# Altium PCB MCH_MAIN.PCBDOC (part 11 of 14)
Units mil, origin at the board's own origin, x right, y up, seen from the top; angles counter-clockwise.
Board outline 7110.66 x 2894.12 mil, 6 copper layers (Top Layer, Power, MidLayer1, MidLayer4, GND, Bottom Layer), stack 61.549 mil thick; 630 components, 1085 nets, 3940 pads, 2676 vias.
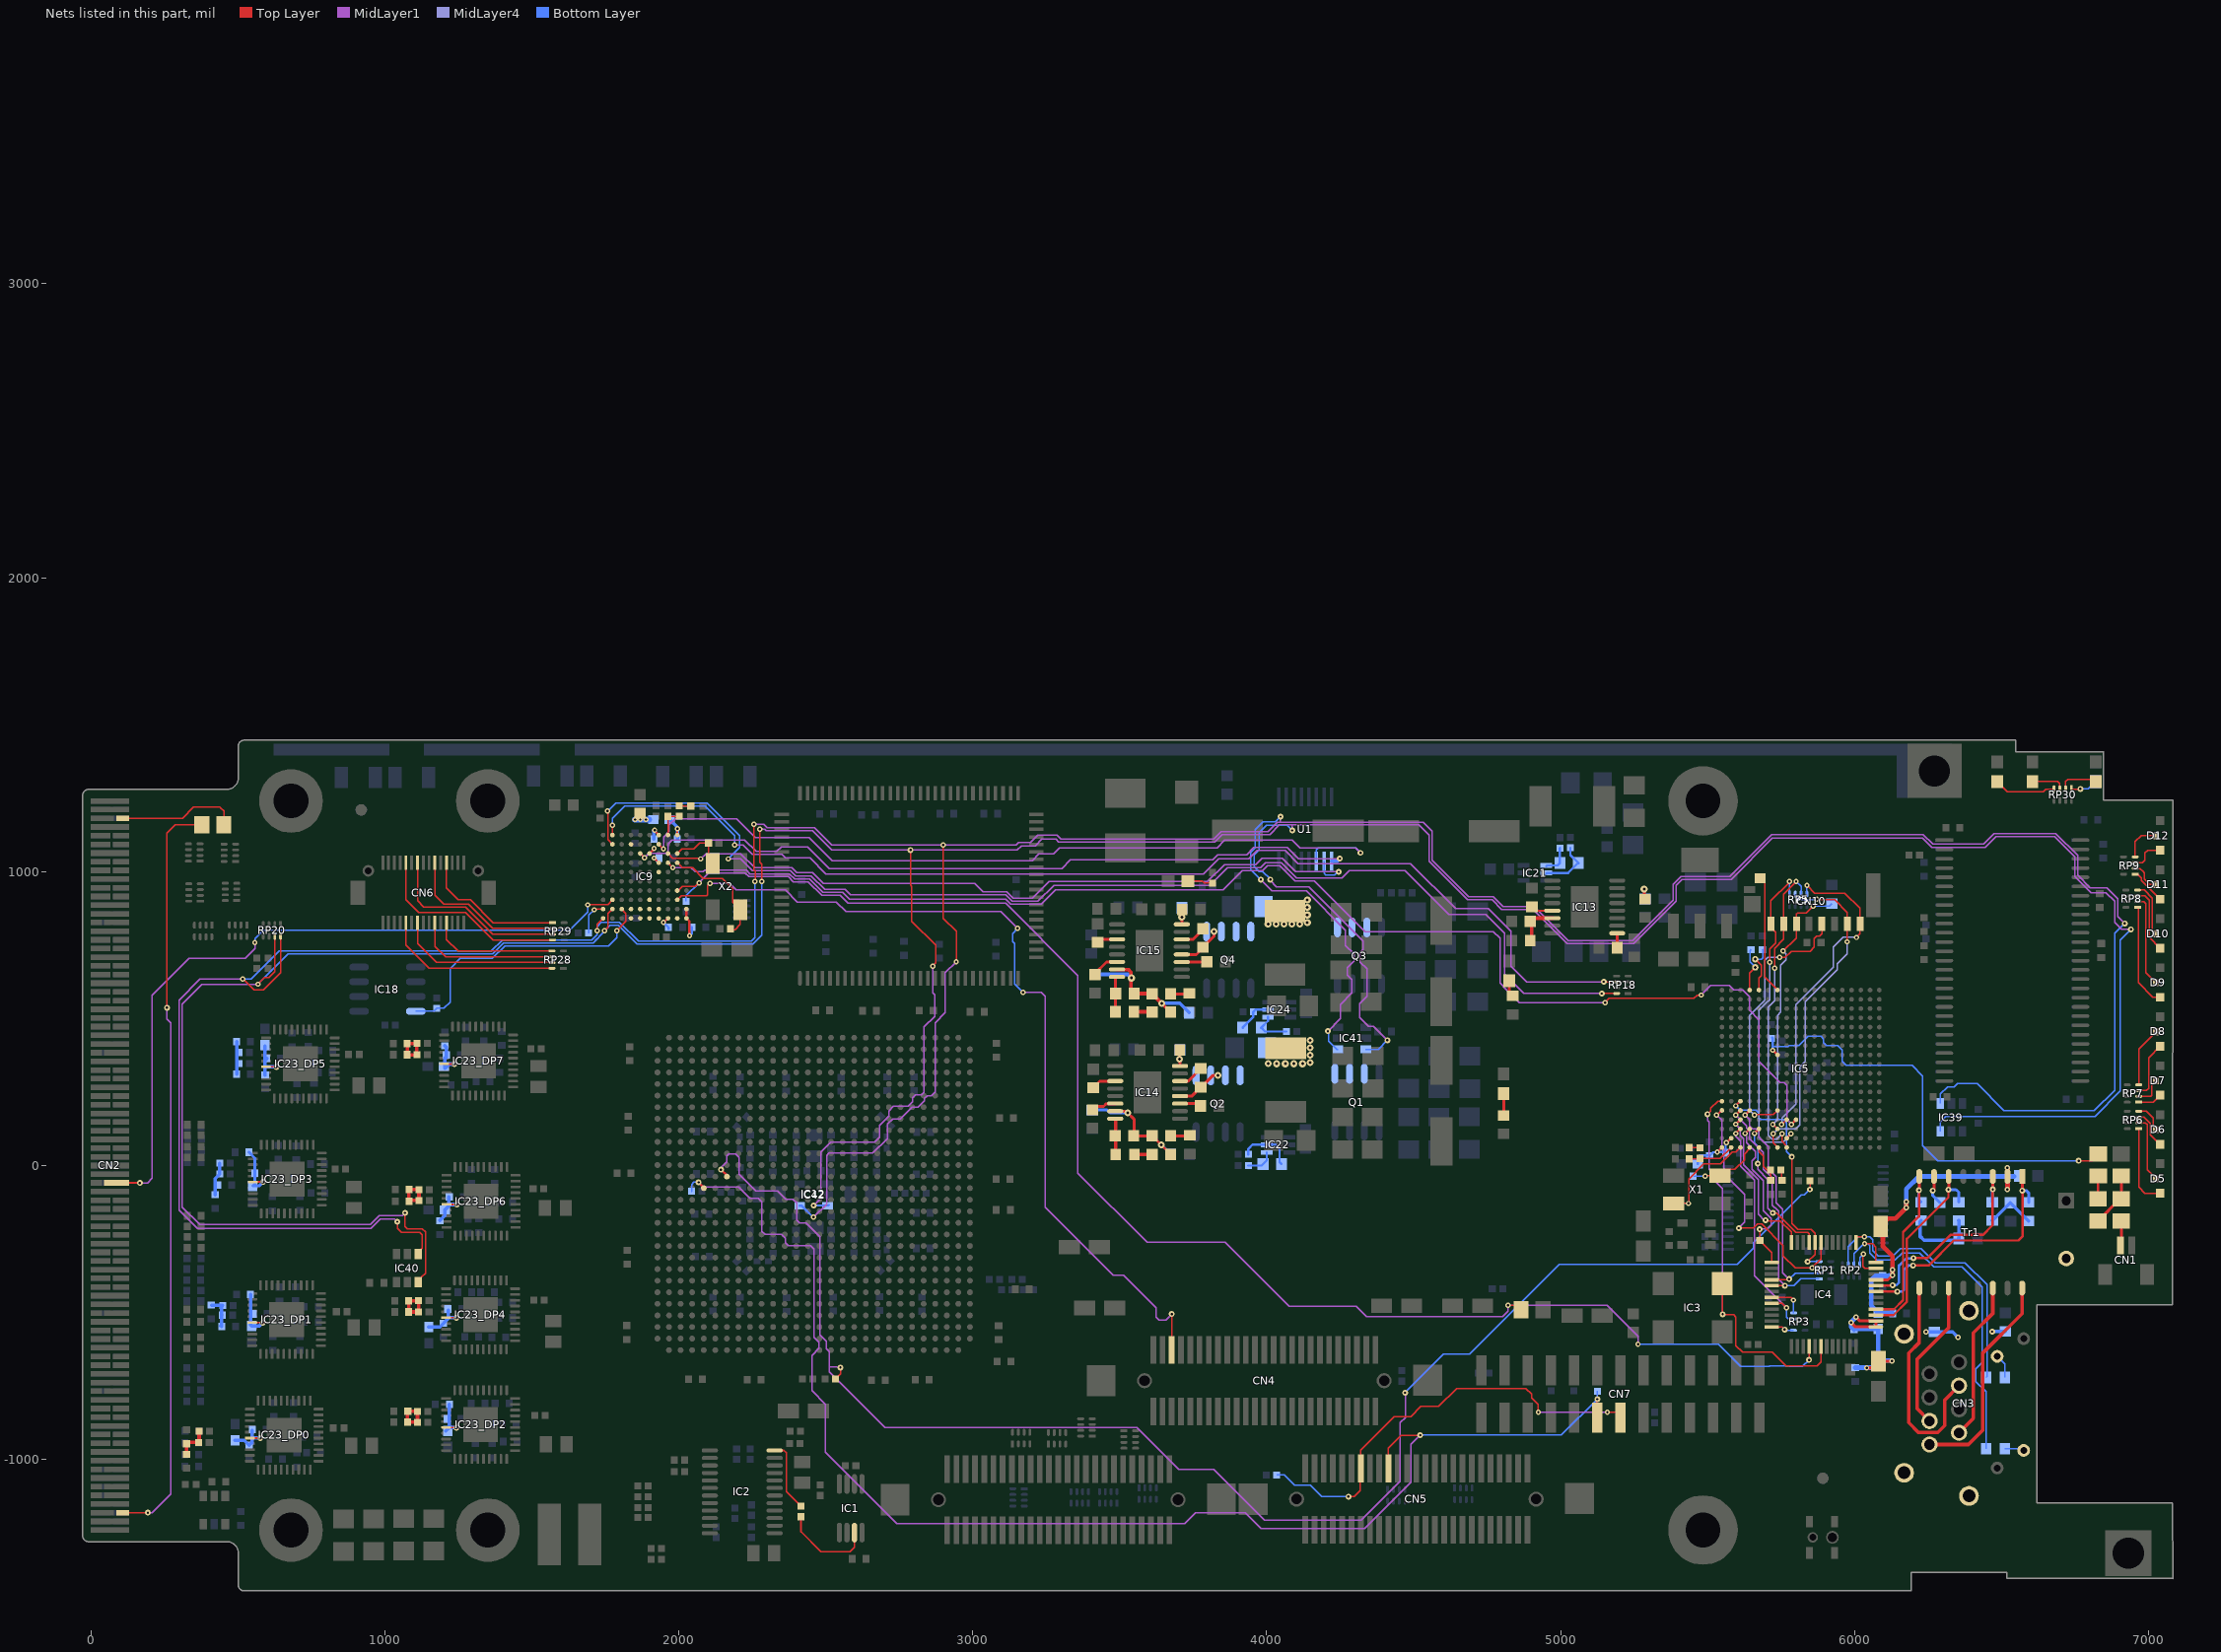
[diagram p15: the nets of this part, all layers, seen from the top]

## Via types
v1: diameter 20, hole 8, Top Layer to Bottom Layer, tented both sides, 1658 vias
v2: diameter 18, hole 8, Top Layer to Bottom Layer, tented both sides, 580 vias
v3: diameter 24, hole 10, Top Layer to Bottom Layer, tented both sides, 438 vias

## Nets (pads, with @x,y where several pads share a name; then routed paths per layer and width w, separated by ;. In a path a pad name is that pad's centre, name@x,y a point inside that pad or via, vN(x,y) a via of type N, cw(c..) or ccw(c..) an arc to the next point about the centre after c; other vN are vias at no path point) (continued)
JTAG_TDO_M2C: CN5.13 CN7.14 R68.2 | length 1506.2
  Top Layer w5: v1(4278.1,-1126.3) 4297.7,-1126.3 4318.76,-1105.24 CN5.13@4318.76,-1027.77 ; CN5.13@4320.02,-1030.77 4320.02,-968.08 4434,-854.1 4486,-854.1 4491,-854.1 4525,-820.1 4584,-820.1 4646,-758.1 4882,-758.1 4901,-777.1 4901,-790.1 4924,-813.1 v2(4924,-839.1) ; v2(5159,-839.1) 5160,-840.1 5196,-840.1 5196,-854.66 CN7.14@5201.44,-860.1
  MidLayer1 w5: v2(4924,-839.1) v2(5159,-839.1)
  Bottom Layer w5: R68.2@4033.92,-1052.9 4060,-1052.9 4095,-1087.9 4148.1,-1087.9 4186.5,-1126.3 v1(4278.1,-1126.3)
JTAG_TMS: CN5.19 CN7.16 IC12.P5 R61.1 R78.1 | length 4677.7
  Top Layer w5: CN5.19@4413.25,-1027.77 4413.25,-961.55 4456.7,-918.1 v1@4523.4,-918.1 ; CN7.16@5122.7,-860.1 5122.7,-797.4 v1(5125,-795.1)
  Top Layer w8: v1@2065.11,-55.43 2085.02,-75.35 IC12.P5@2085.02,-77.01
  MidLayer1 w5: v1@2065.11,-55.43 2083.18,-73.5 2204,-73.5 2242.6,-112.1 2271.4,-112.1 2282.2,-122.9 2282.2,-223.7 2293.4,-234.9 2349,-234.9 2362.2,-248.1 2362.2,-261.9 2372.6,-272.3 2448,-272.3 2460,-284.3 2460,-578.8 ; 2460,-581.5 2460,-578.8 ; v1(4521.9,-917.2) 4490.1,-949 4490.1,-1078.1 4333.5,-1234.7 3981.1,-1234.7 3928.05,-1181.65 3757.25,-1181.65 3720.4,-1218.5 2741.8,-1218.5 2499.1,-975.8 2499.1,-812.5 2452.7,-766.1 2452.7,-646.8 2477.3,-622.2 2477.3,-601.3 2460,-584 2460,-578.8
  Bottom Layer w5: R78.1@2044,-88.1 R78.1@2043.28,-88.1 2043.9,-87.48 2043.9,-64.2 2051,-57.1 2067.1,-57.1 v1(2067.3,-57.3) ; v1(4521.9,-917.2) 5002.9,-917.2 v1(5125,-795.1) R61.1@5125,-767.82
MAIN_FPGA_DIN: IC12.N7 R70.1 R110.2 | length 5378.8
  Top Layer w5: R110.2@2532.72,-726.1 2550,-708.82 v1(2550,-687.1) ; v1(5847.97,-81.54) R70.1@5848,-52.82
  Top Layer w8: v1@2143.42,-13.08 2163.77,-33.42 IC12.N7@2163.77,-37.64
  MidLayer1 w5: v1(2143.6,-14.1) 2143.6,-7.5 2163.8,12.7 2163.8,33.1 2170,39.3 2192.8,39.3 2205,27.1 2205,-29.7 2262,-86.7 2336,-86.7 2364.4,-115.1 2388.6,-115.1 2400.8,-127.3 2400.8,-185.1 2412,-196.3 2433.8,-196.3 2480.4,-242.9 2480.4,-576 2501.6,-597.2 2501.6,-623.3 2511.4,-633.1 2511.4,-685.1 ; v1(2550,-687.1) 2546.4,-687.1 2544.4,-685.1 2511.4,-685.1 ; 3754.8,-1033.1 3751,-1033.1 ; v1(4471,-773.1) 4472.4,-774.5 4472.4,-857.02 4454.32,-875.1 4454.32,-1073.98 4321.81,-1206.49 3992.79,-1206.49 3819.4,-1033.1 3751,-1033.1 ; 2511.4,-685.1 2511.4,-702 2701,-891.6 3559.2,-891.6 3700.7,-1033.1 3751,-1033.1
  Bottom Layer w5: v1(4471,-773.1) 4602,-642.1 4690,-642.1 4995.74,-336.36 5600.59,-336.36 5656,-280.96 5656,-262.85 5694.5,-224.35 5694.5,-223.89 5817.99,-100.4 5828.81,-100.4 5847.67,-81.54 v1(5847.97,-81.54) v1@5847.97,-88.48
MAIN_NRST: D22.2 IC4.40 IC9.J4 R80.2 | length 5289.8
  Top Layer w5: IC9.J4@1994.97,935.39 1997.72,935.39 2012.09,949.76 2021,949.76 ; 2039.14,949.76 2021,949.76 ; v2(2069,961.9) 2056.86,949.76 2021,949.76 ; v2(4821,-476.1) 4850.6,-476.1 D22.2@4865.6,-491.1 ; D22.2@4864.6,-468.1 D22.2@4870.6,-474.1 ; v1(5845,-661.1) IC4.40@5845,-616.1
  MidLayer1 w5: v2(2069,961.9) 2069,963.04 2101.36,995.4 2225.64,995.4 2238.64,982.4 2372.6,982.4 2390,965 2440.4,965 2486.3,919.1 2549.2,919.1 2575.9,892.4 3112.28,892.4 3358,646.68 3358,-25.81 3593.1,-260.91 3857.95,-260.91 3953.69,-356.64 4076.15,-479.1 4248,-479.1 ; 4253,-479.1 4248,-479.1 ; v2@5264,-609.1 v2(5263,-608.1) 5263,-580.55 5238.72,-556.28 5207.77,-525.33 5158.55,-476.1 5142.55,-476.1 v2(4821,-476.1) 4821,-495.1 4802.8,-513.3 4339.25,-513.3 4305.05,-479.1 4248,-479.1
  Bottom Layer w5: R80.2@2025,898.62 2025,917.9 v2(2069,961.9) ; v2@5264,-609.1 v2(5263,-608.1) 5537,-608.1 5613,-684.1 5709.67,-684.1 5711.17,-682.6 5820.5,-682.6 5822,-684.1 ; 5778,-684.1 5822,-684.1 ; v1(5845,-661.1) 5822,-684.1
MCU_IO1: IC9.A1 IC39.1 IC40.1 IC41.1 IC42.1 RP20.8 | length 14130.1
  Top Layer w5: v2(517,633.9) 519,633.9 555,597.9 588,597.9 645.53,655.43 RP20.8@645.53,780.21 645.53,762.43 ; v1@1042.8,-193.1 1042.8,-213.5 1056.8,-227.5 1119.2,-227.5 1127.4,-235.7 1127.4,-281.3 1114.4,-294.3 IC40.1@1114.4,-301.86 ; v2(1723,798.9) 1723,820.9 IC9.A1@1743,840.9 ; v2(2256,1160.9) 2256,1004.9 2260,1000.9 2260,965.9 v2(2259,965.9) ; v2@2900,1092.9 v2(2900,1089.9) 2900,840.23 2944,796.23 v2(2944,692.9)
  MidLayer1 w5: 300,381.6 300,360.9 ; v2(517,633.9) 371,633.9 300,562.9 300,360.9 ; v1(1042.4,-191.5) 1033.8,-182.9 984.2,-182.9 953,-214.1 362.6,-214.1 300,-151.5 300,360.9 ; v2(2256,1160.9) 2289.25,1160.9 2301.15,1149 2462.2,1149 2520.3,1090.9 3148,1090.9 3156,1098.9 3196.4,1098.9 3221.7,1124.2 3287.1,1124.2 3300.3,1111 3819.38,1111 3844.82,1136.43 4004.63,1136.43 4036.6,1168.4 4047,1168.4 ; v2(2459,-175.1) 2503,-131.1 2503,33.9 2511,41.9 2660.34,41.9 2710,91.56 2710,141.18 2727.72,158.9 2754,158.9 2794,198.9 2814.39,198.9 2836.16,220.67 2836.16,227.97 2845.83,237.64 2859.74,237.64 2872,249.9 2872,484.9 2907,519.9 2907,594.9 ; 2907,654.9 2907,594.9 ; v2(2944,692.9) 2907,655.9 2907,594.9 ; v1@3980,972.8 4018.6,934.2 4135.38,934.2 4268.4,801.18 4268.4,749 4297.6,719.8 4297.6,696.5 4274.8,673.7 4274.8,647.5 4290.2,632.1 4290.2,587.2 4250.8,547.8 4250.8,499.6 v1(4208.2,457) ; v1(4047,1186.9) 4047,1168.4 ; v1(6918.8,823.7) 6895.73,846.77 6895.73,907.03 6857.86,944.9 6801.6,944.9 6758.7,987.8 6758.7,1054.83 6684.63,1128.9 6474.51,1128.9 6438.64,1093.02 6265.86,1093.02 6233.08,1125.8 5718.62,1125.8 5575.72,982.9 5408.72,982.9 5383,957.18 5383,935.1 5383,903.18 5245.1,765.28 5025.86,765.28 4910.24,880.9 4803.83,880.9 4770.83,913.9 4687.58,913.9 4562.45,1039.03 4562.45,1137.75 4531.8,1168.4 4047,1168.4
  Bottom Layer w5: v2(517,633.9) 545,633.9 640.5,729.4 1362.22,729.4 1400.34,767.53 1704.57,767.53 ; 1713.03,775.98 1704.57,767.53 ; v1(3980,972.9) 3946,1006.9 3946,1064.9 3961,1079.9 3961,1141.9 3988,1168.9 4029,1168.9 v1(4047,1186.9) ; v1@4210.8,457 4210.8,423.74 4239.04,395.5 IC41.1@4242.76,395.5 ; IC39.1@6291.6,211.14 6291.6,243.1 6315.8,267.3 6339.2,267.3 6350.2,278.3 6416.6,278.3 6508.4,186.5 6815.4,186.5 6885,256.1 6885,789.9 v1(6918.8,823.7) ; 1704.57,767.53 1722,784.95 1722,812.9 1736,826.9 1798.48,826.9 1862.48,762.9 2247,762.9 2259,774.9 v2@2259,962.9 ; v2@2259,962.9 v2@2259,964.9 ; v2@2259,962.9 2258,963.9 v2@2259,964.9 ; v2@2259,964.9 v2(2259,965.9) ; v2@2259,964.9 v2@2259.5,965.4 ; v2(2259,965.9) 2260,965.9 v2@2259.5,965.4 ; v2(2259,965.9) v2@2259.5,965.4
  Bottom Layer w8: IC42.1@2411.88,-137.38 2418.86,-137.38 v2@2455.02,-173.55
MCU_IO2: IC9.B2 IC39.6 IC40.6 IC41.6 IC42.6 RP20.7 | length 14059.2
  Top Layer w5: v2(569,616.9) 591.5,639.4 606.45,639.4 625.84,658.8 RP20.7@625.84,780.21 RP20.7@625.84,773.74 ; v1(1068.8,-161.3) 1068.8,-206.7 1077,-214.9 1127.2,-214.9 1138.2,-225.9 1138.2,-366.3 1124.4,-380.1 1124.4,-386.35 IC40.6@1114.4,-396.34 ; v2(1748,798.9) 1759,809.9 1759,856.9 IC9.B2@1774.5,872.4 ; v2(2276,1143.9) 2276.5,1143.4 2276.5,1031.4 2282,1025.9 v2(2282,965.9) ; v1@2788,1073.2 2788,954.9 2793,949.9 2793,830.9 2874,749.9 2874,689.47 2864.1,679.56 v2(2864.1,677.47)
  MidLayer1 w5: v2@568.5,616.4 378.5,616.4 311,548.9 311,-141.3 370.6,-200.9 950.4,-200.9 981,-170.3 1059.8,-170.3 v1(1068.8,-161.3) ; v2(2276,1143.9) 2276.45,1143.45 2292.55,1143.45 2297,1139.01 2454.6,1139 2520.2,1073.4 v1(2788.2,1073.4) 2788.7,1072.9 3151.13,1072.9 3166.13,1087.9 3212.6,1087.9 3234.61,1109.91 3283.19,1109.91 3292.1,1101 3823.53,1101 3848.96,1126.43 4011.13,1126.43 4043.1,1158.4 4088,1158.4 ; v1(2458.96,-136.14) 2483.8,-111.31 2483.8,45.7 2517.6,79.5 2667.1,79.5 2683.1,95.5 2683.1,136.53 2714.3,167.73 2714.3,185.6 2730.39,201.69 2779.77,201.69 2795.7,217.61 2795.7,230.5 2805,239.8 2825.6,239.8 2834.6,248.8 2834.6,471.2 2870.7,507.3 2870.7,580.9 2864,587.6 v2@2864,676.9 ; v1@4012.2,970 4033.6,948.6 4142.9,948.6 4327.8,763.7 4327.8,735 4318,725.2 4318,691.8 4340.7,669.1 4340.7,575.5 4315.6,550.4 4315.6,504.1 4346.1,473.6 4363,473.6 v1(4410.6,426) ; v1(4086.9,1140.1) 4086.9,1157.3 4088,1158.4 ; 4119,1158.4 4088,1158.4 ; 4119.2,1158.4 4517.6,1158.4 4552.45,1123.55 4552.45,1034.89 4683.44,903.9 4766.69,903.9 4799.69,870.9 4906.1,870.9 5021.72,755.28 5249.24,755.28 5393,899.04 5393,953.04 5412.86,972.9 5579.86,972.9 5720.16,1113.2 6231.54,1113.2 6263.14,1081.6 6444.18,1081.6 6481.48,1118.9 6680.49,1118.9 6748.7,1050.69 6748.7,983.66 6804.46,927.9 6855.2,927.9 6884.4,898.7 6884.4,826.7 6907.8,803.3 v1(6940,803.3)
  Bottom Layer w5: v2(569,616.9) 671.5,719.4 1366.36,719.4 1404.49,757.53 1708.71,757.53 ; 1723.03,771.84 1708.71,757.53 ; v2@2282,963.9 v2(2282,965.9) 2282,782.9 2252,752.9 1858.33,752.9 1794.33,816.9 1766,816.9 v2(1748,798.9) 1748,796.81 1708.71,757.53 ; v1@4012.3,974.1 3986.4,1000 3974.7,1000 3957.3,1017.4 3957.3,1056.7 3973.5,1072.9 3973.5,1132.7 3998.7,1157.9 4069.1,1157.9 v1(4086.9,1140.1) ; IC41.6@4337.24,395.5 4380.1,395.5 v1(4410.6,426) ; IC39.6@6291.6,116.66 6291.6,148.3 6310.2,166.9 6817.6,166.9 6904,253.3 6904,767.3 v1(6940,803.3)
  Bottom Layer w8: v1(2458.96,-136.14) 2506.37,-136.14 2508.61,-136.14 IC42.6@2510.37,-134.38
  other v1: 4012.3,972.5
MCU_IO4: CN4.5 IC9.J3 | length 3067
  Top Layer w5: IC9.J3@1994.97,903.89 2009.34,918.27 2095.37,918.27 2098.5,921.4 2098.5,931.9 ; 2098.5,940.4 2098.5,931.9 ; v2(2106,959.9) 2098.5,952.4 2098.5,931.9 ; CN4.5@3677.04,-627.77 v1@3677.04,-506.1
  MidLayer1 w5: v2(2106,959.9) 2172.67,959.9 2195.37,937.2 2362.7,937.2 2403.5,896.4 2536,896.4 2568.4,864 2961,864 ; 2981.04,864 2961,864 ; v2(3153,806.9) 3095.9,864 2961,864 ; v2(3171,588.9) 3233,588.9 3246,575.9 3246,-141.62 3477.48,-373.1 3512.75,-373.1 3624,-484.35 3624,-515.1 3634,-525.1 3657,-525.1 v1(3677,-505.1)
  Bottom Layer w5: v2(3153,806.9) 3135.5,789.4 3135.5,762.4 3142,755.9 3142,617.9 v2(3171,588.9)
MCU_IO29: IC5.K15 IC9.H7 | length 4701.8
  Top Layer w5: IC9.H7@1963.47,1029.88 1979.45,1013.9 v2(1980,1013.9) v2@1983,1010.9 ; v2(5151,553.9) 5165.5,568.4 5452.83,568.4 5464.33,579.9 v2(5478,579.9)
  Top Layer w8: v2(5784.83,140.14) IC5.K15@5800.58,155.89
  MidLayer1 w5: v2(1980,1013.9) 2003,1013.9 ; 1997,1013.9 2003,1013.9 ; 4847.7,566.4 4813.1,601 ; v2(5151,553.9) 4860.2,553.9 4813.1,601 ; v2(5478,579.9) 5478,580.38 5509.95,612.33 5574.2,612.33 5588.53,598 5619.4,598 5642.74,574.66 5642.74,528.06 5674.73,496.07 5674.73,354.31 5746.92,282.13 5759.26,282.13 5769.33,272.05 5769.33,157.21 5784.83,141.71 v2(5784.83,140.14) ; 2003,1013.9 2041,1013.9 2055.5,999.4 2083,999.4 2089,1005.4 2229.78,1005.4 2242.78,992.4 2376.74,992.4 2394.14,975 2444.54,975 2490.44,929.1 2557.87,929.1 2581.25,905.72 3018.32,905.72 3113.1,905.72 3129.48,889.35 3233.85,889.35 3281.8,937.3 3851.1,937.3 3917.3,1003.5 3985.5,1003.5 4002.6,1020.6 4045.16,1020.6 4097.16,968.6 4161.6,968.6 4334.2,796 4770.88,796 4793.6,773.28 4793.6,620.5 4813.1,601
MCU_IO31: CN2.41 IC9.B3 | length 2488.8
  Top Layer w5: v2(1691,886.9) 1692,887.9 1758.5,887.9 IC9.B3@1774.5,903.89
  Top Layer w6: CN2.41@87.61,-59.07 166.17,-59.07 v1(166.6,-59.5)
  MidLayer1 w5: v1(166.6,-59.5) 192.8,-59.5 208.6,-43.7 208.6,578.64 334.96,705 525.43,705 558,737.57 v2(558,757.9)
  Bottom Layer w5: v2(558,757.9) 558,771.9 587,800.9 1628.86,800.9 1691,863.04 1691,865.9 ; 1691,869.9 1691,865.9 ; v2(1691,886.9) 1691,865.9
MCU_IO32: IC9.A2 R82.2 | length 118.6
  Top Layer w5: v2(1712,869.9) 1714.5,872.4 1735,872.4 IC9.A2@1743,872.4
  Bottom Layer w5: R82.2@1693.72,790.9 1693.72,851.62 v2(1712,869.9)
MCU_IO37: IC9.C2 IC18.4 R94.1 | length 969.7
  Top Layer w5: v2(1789,798.9) 1820.37,830.27 1820.37,858.02 IC9.C2@1805.99,872.4
  Bottom Layer w5: IC18.4@1105.46,524.9 1166.72,524.9 R94.1@1177,535.18 1201.28,535.18 1222,555.9 1222,669.9 1257,704.9 1366,704.9 1408.63,747.53 1760.63,747.53 1789,775.9 v2(1789,798.9)
MCU_IO39: IC9.G9 U1.11 | length 2784.4
  Top Layer w5: IC9.G9@1931.98,1092.87 1947.95,1076.9 v2(1948,1076.9)
  MidLayer1 w5: v2(1948,1076.9) 1948,1116.9 1968,1136.9 1968,1158.9 1988.5,1179.4 2196.5,1179.4 2260,1115.9 2288,1115.9 2442.9,1115.9 2521.5,1037.3 3076.2,1037.3 ; 3067.3,1037.3 3076.2,1037.3 ; v1(4319.4,1063.7) 4303.4,1079.7 4113.2,1079.7 4086.47,1106.43 3857.24,1106.43 3831.81,1081 3295.7,1081 3274.6,1059.9 3225.5,1059.9 3202.9,1037.3 3076.2,1037.3
  Bottom Layer w5: U1.11@4169.39,1035.65 4169.39,1074.19 4174.9,1079.7 4303.4,1079.7 v1(4319.4,1063.7)
MCU_IO40: IC9.H8 U1.10 | length 2543.8
  Top Layer w5: IC9.H8@1963.47,1061.37 1979.55,1045.3 2066.6,1045.3 v2@2072,1039.9
  MidLayer1 w5: v2(2075,1042.9) 2093,1060.9 2211,1060.9 2258.5,1013.4 2318,1013.4 2320.09,1013.4 2384.03,1013.4 2400.93,996.5 2455.6,996.5 2492.8,959.3 3006.45,959.3 3034.93,930.82 3116.29,930.82 3137.76,909.35 3202.35,909.35 3259.3,966.3 3798.9,966.3 3856.1,1023.5 3906,1023.5 ; 3902.5,1023.5 3906,1023.5 ; v1(4245,999.2) 4099,999.2 4052.3,1045.9 3984.9,1045.9 3962.5,1023.5 3906,1023.5
  Bottom Layer w5: U1.10@4194.98,1035.65 4194.98,994.52 4201.1,988.4 4230.7,988.4 4246.3,1004 4246.3,1000.5 v1(4245,999.2)
MCU_IO41: IC9.E8 U1.9 | length 2559.2
  Top Layer w5: IC9.E8@1868.98,1061.37 1869.53,1061.37 v2(1884,1046.9)
  MidLayer1 w5: v2(1884,1046.9) 1898.5,1061.4 1957,1061.4 1963.5,1067.9 1963.5,1093.4 1977.5,1107.4 2224.5,1107.4 2263.5,1068.4 2333.36,1068.4 2349.36,1084.4 2438.3,1084.4 2512.1,1010.6 3303.6,1010.6 3332.6,1039.6 3816.4,1039.6 3834.2,1057.4 3931.6,1057.4 3955.8,1081.6 4069.7,1081.6 4108.4,1042.9 4248.9,1042.9 v1(4248.9,1044.2)
  Bottom Layer w5: v1@4248.9,1042.9 v1(4248.9,1044.2)
  Bottom Layer w12: U1.9@4220.57,1035.65 4240.35,1035.65 v1(4248.9,1044.2)
MCU_IO43: IC9.F2
MCU_IO44: IC9.G2
MCU_IO45: IC9.F3 | length 0.5
  Top Layer w5: IC9.F3@1900.48,903.42 IC9.F3@1900.48,903.89
MCU_IO46: IC9.D9
MCU_IO47: IC9.E2
MCU_IO48: IC9.J1
MCU_IO49: IC9.F1
MCU_IO51: IC9.G1
MCU_IO52: IC9.E1
MCU_IO53: IC9.G6
MCU_IO54: IC9.D1
MCU_IO55: IC9.D2
MISO: IC9.B10 RP18.6 | length 3890.7
  Top Layer w5: IC9.B10@1774.5,1124.36 1774.5,1157.4 v2(1775,1157.9) ; v1(5146.6,625.1) 5146.96,624.74 RP18.6@5190.31,624.74
  MidLayer1 w5: v2(2190,1090.9) 2218,1090.9 2250.5,1058.4 2351.3,1058.4 2363,1046.7 2446.1,1046.7 2500.6,992.2 3785.44,992.2 3836.94,1043.7 3938.9,1043.7 3966.8,1071.6 4062.3,1071.6 4107.2,1026.7 4489.7,1026.7 4642.5,873.9 4754.26,873.9 4830.5,797.66 4830.5,678.7 4884.1,625.1 v1(5146.6,625.1)
  Bottom Layer w5: v2(1775,1157.9) 1775,1180.9 1816.5,1222.4 1921,1222.4 2089.98,1222.4 2190,1122.38 v2(2190,1090.9)
MOSI: IC9.B9 RP18.8 | length 4150
  Top Layer w5: v2@1758.5,1205.9 1758.5,1108.86 IC9.B9@1774.5,1092.87 ; v1(5140,585) 5140.37,585.37 RP18.8@5190.31,585.37
  MidLayer1 w5: v2(2168,1042.9) 2210,1042.9 2238.5,1014.4 ; 2236,1016.9 2238.5,1014.4 ; v1(5140,585) 4875.2,585 4809.5,650.7 4809.5,790.38 4745.98,853.9 4619.9,853.9 4469.9,1003.9 4281.8,1003.9 4256.5,978.6 4101.3,978.6 4049.3,1030.6 3995.7,1030.6 3978.6,1013.5 3866.95,1013.5 3806.95,953.5 3276,953.5 3221.85,899.35 3133.62,899.35 3112.15,920.82 3024.58,920.82 2584.3,920.82 2566.02,939.1 2496.7,939.1 2450.8,985 2398.28,985 2380.38,1002.9 2250,1002.9 2238.5,1014.4
  Bottom Layer w5: v2(1758,1205.9) 1759.33,1205.9 1785.83,1232.4 2096.17,1232.4 2206.5,1122.07 2206.5,1081.4 v2(2168,1042.9) ; v2@2168,1038.9 v2@2170,1040.9
NetC10_1: C10.1 IC14.16 R15.1 | length 86.7
  Top Layer w10: v3@3704.16,362.99 R15.1@3704.16,393.3 3703.4,392.54 v3(3703.4,362.22) 3705.22,360.4 IC14.16@3705.22,338.04
NetC11_2: C11.2 IC14.3 | length 84.2
  Top Layer w10: C11.2@3409.66,264.81 3431.7,286.85 IC14.3@3484.75,286.85
NetC12_1: C12.1 IC14.14 | length 88.7
  Top Layer w10: IC14.14@3705.22,286.85 3732.71,286.85 C12.1@3775.66,329.8 C12.1@3776.18,329.8
NetC12_2: C12.2 D14.2 IC14.12 L1.1 Q1.1 Q1.2 Q1.3 Q2.5 Q2.6 Q2.7 Q2.8 | length 158.7
  Top Layer w10: IC14.12@3705.22,235.67 3744.52,235.67 C12.2@3775.66,266.81 3778.25,266.81 3818.55,307.11 v3(3834.3,307.11)
  other v3: 4034.08,346.18 4063.37,346.18 4092.65,346.18 4121.93,346.18 4004.8,346.4 4147.9,349.8 4147.9,374.94 4147.9,400.08 4147.9,425.22
NetC13_2: C13.2 IC13.14 R16.1 | length 125.2
  Top Layer w12: R16.1@4901.5,771.9 4901.5,822.22 C13.2@4902.37,823.09 ; C13.2@4902.5,830.9 4913.11,841.51 IC13.14@4971.76,841.51
NetC14_2: C14.2 R25.1 | length 46
  Top Layer w10: v3@5284,939.9 5285.6,939.9 5285,939.3 5285,922.4 5286.74,920.66 R25.1@5285.17,919.09
  Bottom Layer w10: v3@5284,939.9 5284.2,939.9 5284.8,939.3 C14.2@5284.8,918.4
  other v3: 5284,940.7
NetC15_2: C15.2 IC14.6 | length 85.5
  Top Layer w10: C15.2@3407.66,189.8 3419.16,201.3 3445.2,201.3 3453.98,210.08 IC14.6@3484.75,210.08
NetC16_2: C16.2 IC13.1 | length 50
  Top Layer w10: IC13.1@5191.61,790.03 5192.87,788.77 C16.2@5192.87,740.59
NetC17_2: C17.2 IC13.13 | length 74.8
  Top Layer w8: C17.2@4902.11,880.62 4915.94,866.8 IC13.13@4971.13,866.8
NetC19_1: C19.1 C20.1 C28.1 IC14.7 R27.1 R31.2 | length 453.2
  Top Layer w10: IC14.7@3484.75,184.49 3521.88,184.49 v3(3527.22,179.15) 3548.54,157.83 C28.1@3548.54,102.76 ; C28.1@3547.5,100.9 C19.1@3610.5,100.9 ; C19.1@3610.5,100.9 v3(3641.25,70.15) C20.1@3673.5,37.9
  Bottom Layer w10: R31.2@3407,188.4 3407.6,189 3456.5,189 3466.35,179.15 v3(3527.22,179.15) ; v3(3641.25,70.15) 3642.26,70.15 R27.1@3674.5,37.9
NetC19_2: C19.2 R28.1 | length 66.1
  Top Layer w10: C19.2@3673.5,100.9 3737.5,100.9 R28.1@3739,102.4
NetC20_2: C20.2 R30.1 | length 122
  Top Layer w8: R30.1@3549.54,37.76 3610.36,37.76 C20.2@3610.5,37.9
  Top Layer w12: R30.1@3549.54,37.76 3610.36,37.76 C20.2@3610.5,37.9
NetC22_1: C22.1 IC15.16 R32.1 | length 83.9
  Top Layer w10: IC15.16@3712.03,820.17 3712.03,870.83 R32.1@3712.28,871.08
  Bottom Layer w10: v3(3711.27,844.51) 3712.28,845.52 C22.1@3712.28,876.99
NetC24_2: C24.2 IC15.3 | length 74.7
  Top Layer w10: C24.2@3423.87,751.99 3440.87,768.99 IC15.3@3491.55,768.99
NetC25_1: C25.1 IC15.14 | length 74.6
  Top Layer w10: IC15.14@3712.03,768.99 3748.99,768.99 C25.1@3775.59,795.58
NetC25_2: C25.2 D18.2 IC15.12 L2.1 Q3.1 Q3.2 Q3.3 Q4.5 Q4.6 Q4.7 Q4.8 | length 159.3
  Top Layer w10: IC15.12@3712.03,717.81 3760.81,717.81 3775.59,732.59 C25.2@3786.36,732.59 ; C25.2@3780.17,740.18 3784.11,740.18 C25.2@3791.98,748.05 ; C25.2@3783,742.4 3821.51,780.91 3821.51,787.42 v3@3819.54,789.39
  other v3: 3821.32,795.74 4004.58,820.89 4031.64,820.89 4058.71,820.89 4085.78,820.89 4112.84,820.89 4138.44,826.79 4138.44,852.38 4138.44,877.97 4138.44,903.56
NetC26_2: C26.2 IC15.6 | length 136.7
  Top Layer w10: C26.2@3425.84,659.64 C26.2@3415.77,649.58 3415.77,652.89 3455.1,692.22 3491.55,692.22 IC15.6@3464.49,692.22
NetC27_1: C27.1 IC15.11 | length 107.7
  Top Layer w10: IC15.11@3712.03,692.22 3753,692.22 ; 3775.96,692.22 3753,692.22 ; C27.1@3796.5,692.9 3795.82,692.22 3753,692.22
NetC28_2: C28.2 IC14.8 R30.2 | length 122.3
  Top Layer w12: IC14.8@3484.76,159.33 3486.55,157.55 R30.2@3486.55,37.76
NetC29_1: C29.1 C61.1 C193.1 IC15.7 R37.1 R44.2 | length 514.8
  Top Layer w12: IC15.7@3490.76,666.92 3528.98,666.92 3538,657.9 3538,596.4 C193.1@3549.5,584.9 3609.5,584.9 3672.5,521.9 C29.1@3673.5,521.9
  Bottom Layer w12: R44.2@3416,650.4 3527.5,650.4 3536.5,641.4 v3(3540,637.9) ; v3(3643,551.9) 3704.5,551.9 R37.1@3736.5,519.9
NetC29_2: C29.2 R42.1 | length 62.4
  Top Layer w12: R42.1@3548.5,522.9 3609.5,522.9 C29.2@3610.5,521.9
NetC31_1: C31.1 R45.2 R46.2 | length 174.9
  Bottom Layer w12: R46.2@6468,-187.6 6469.01,-187.6 C31.1@6530,-126.6 R45.2@6592,-188.6
NetC32_1: C32.1 C34.2 C39.1 C72.1 IC4.9 L4.1 Tr1.2 | length 1276.1
  Top Layer w10: IC4.9@6072,-389.1 6113,-389.1 v2(6129,-373.1)
  Top Layer w16: v2(6129,-373.1) v2(6129,-355.1) 6129,-330.1 6129,-308.1 6096,-275.1 6096,-214.28 C32.1@6089,-207.28 6089,-205.1 6114,-180.1 6139,-180.1 v2(6176,-143.1) v2(6176,-123.1) ; v2(6520,-81.1) Tr1.2@6520,-37.1 v2(6520,-8.1)
  Bottom Layer w10: v2@6128.62,-373.48 v2(6129,-373.1) v2(6129,-355.1)
  Bottom Layer w16: v2(6129,-355.1) v2(6129,-373.1) v2@6128.62,-373.48 ; C34.2@6129.38,-503.1 6126.82,-500.54 L4.1@6080,-500.54 6057,-477.54 6057,-389.1 6070,-376.1 6115,-376.1 ; v2(6176,-143.1) 6176,-80.1 6219,-37.1 6519.38,-37.1 ; v2(6520,-81.1) 6519.38,-80.48 6519.38,-37.1 ; v2(6520,-8.1) 6519.38,-8.72 6519.38,-37.1 ; C72.1@6542.58,-37.1 6519.38,-37.1 ; 6115,-376.1 6117.62,-373.48 v2@6128.62,-373.48 ; 6115,-376.1 6126,-376.1 v2@6128.62,-373.48
NetC33_1: C33.1 C36.1 C37.1 IC4.1 IC4.2 L4.2 | length 673.5